# Altium PCB Fri3D_2020_01.PcbDoc (part 1 of 3) (continued)
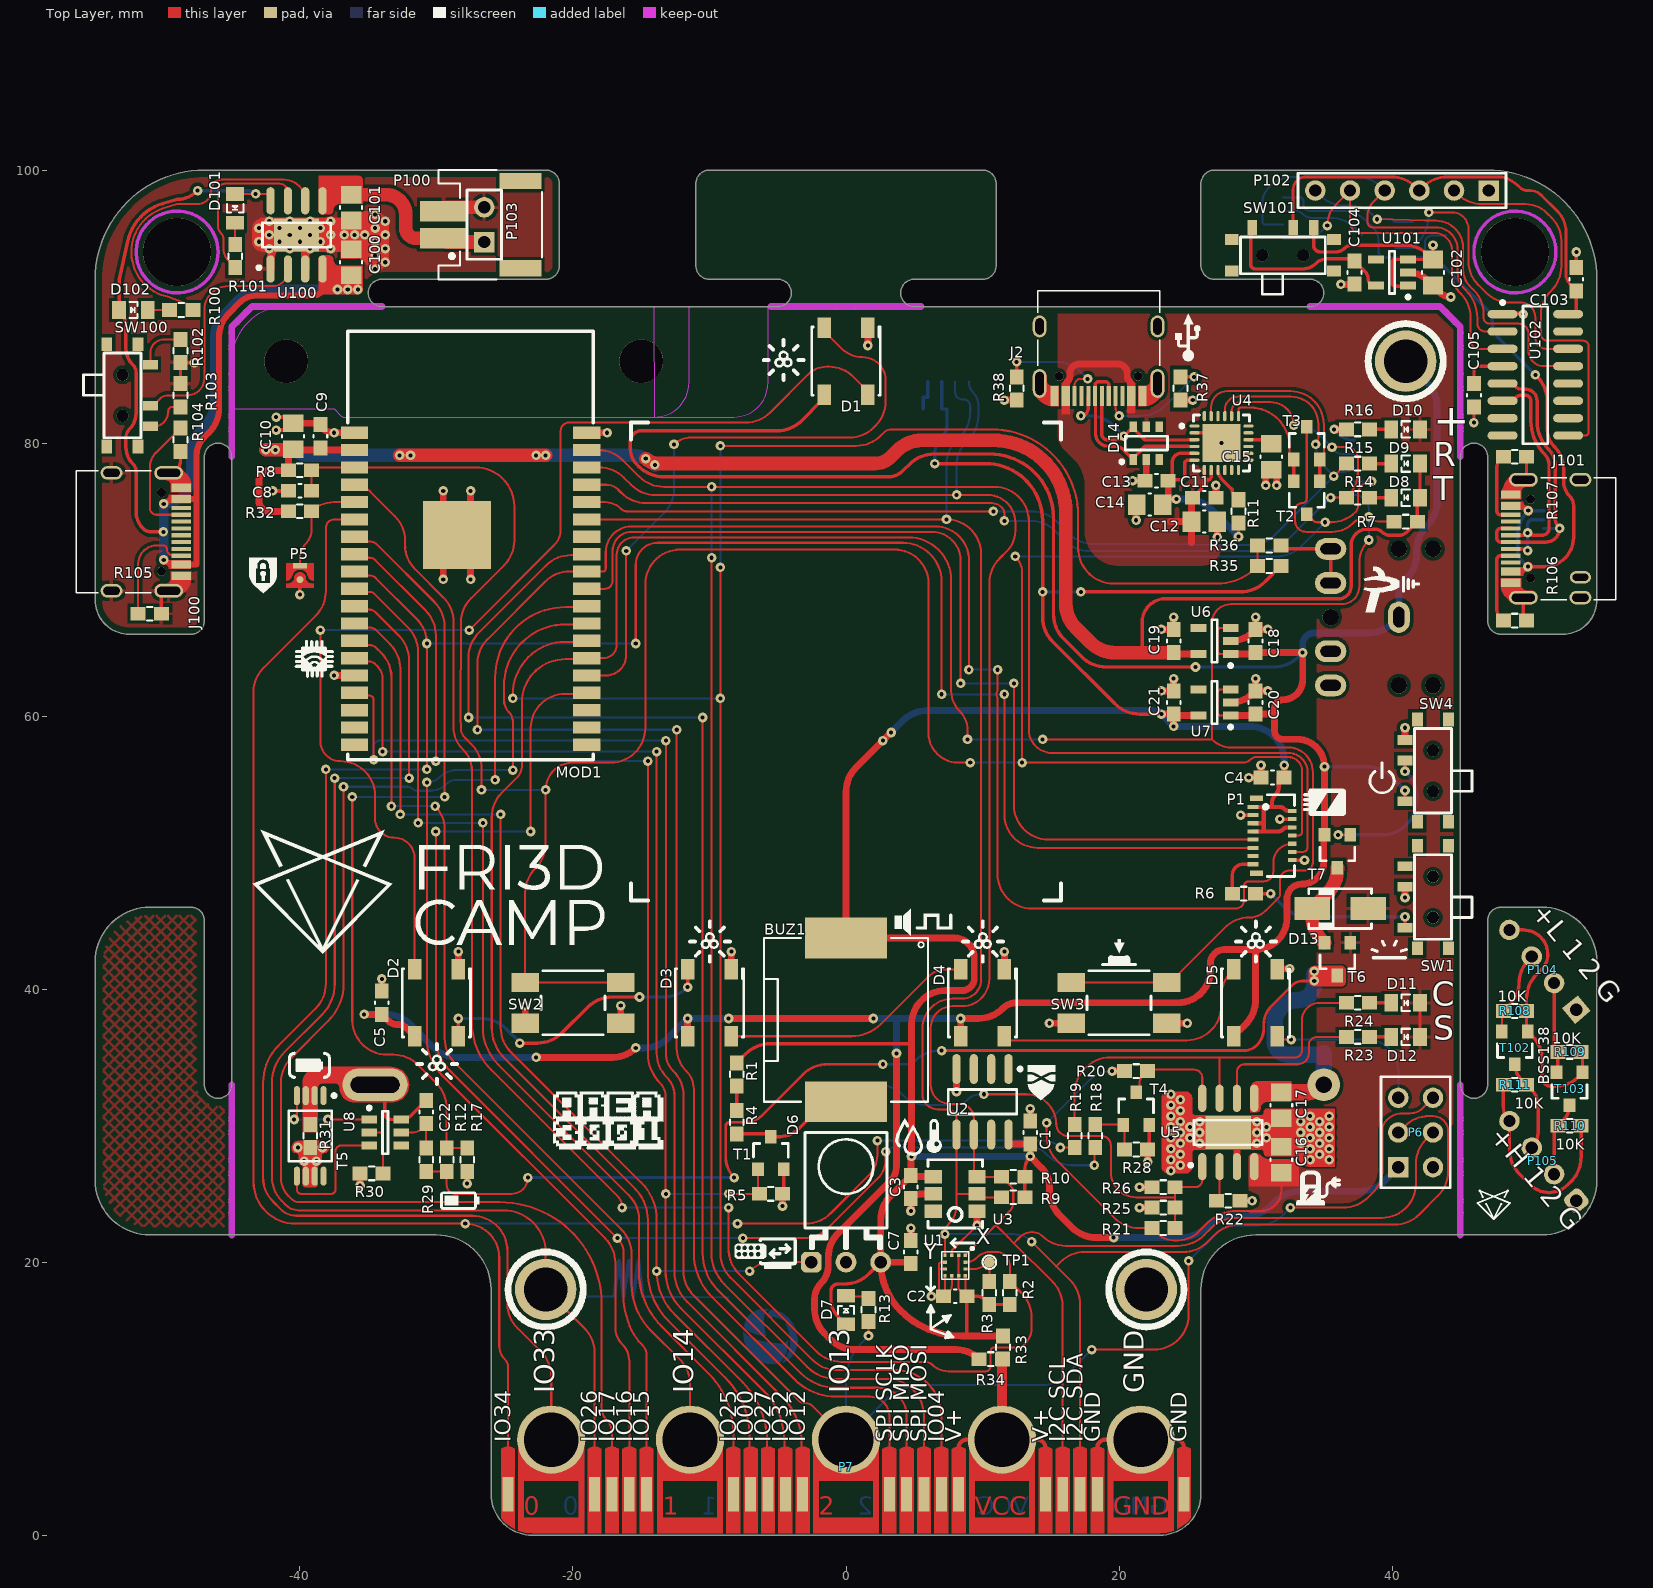
[diagram p0: Top Layer view]
## Footprints (in the part's own frame and the unit in brackets; to place one, negate y for a bottom-side part, rotate by r counter-clockwise, add the part's x,y. Pads: shape width x height; smd on the part's side, far side on the other; paste and mask are expansions set on the pad)
AHT10 [mm] "AHT10"
  rect 1.27x1 smd: 1(-1.6,1.27) 2(-1.6,0) 3(-1.6,-1.27) 4(1.6,-1.27) 5(1.6,0) 6(1.6,1.27)
  silkscreen extent -2,-2.5 2,2.5, body extent -2,-2.5 2,2.5, height 1.6
BAT_18650_SPRING [mm] "Battery holder for a single 18650 cell with spring"
  round 2.4 hole 1.2: 1(35,0)
  oval 4.8x2.4 hole 1.2 slot 3.6 at 0 deg: 2(-34.5,0)
  silkscreen extent -38.85,-10.45 38.85,10.45, body extent -39.01,-10.4 38.64,10.4, height 21.65
C0603_N [mm] "Low density"
  rect 1.1x1 smd: 1(-0.85,0) 2(0.85,0)
  silkscreen extent -0.1,-0.5 0.1,0.5, body extent -0.8,-0.4 0.8,0.4, height 0.3
C0805_N [mm] "Low density"
  rect 1.3x1.5 smd: 1(-0.95,0) 2(0.95,0)
  silkscreen extent -0.1,-0.8 0.1,0.8, body extent -1,-0.62 1,0.63, height 0.78
CUI_CMT-1203-SMT [mm] "12x12x3mm piezo buzzer"
  rect 3x6 smd: 1(-6,0) 2(6,0)
  silkscreen extent -6,-6 6,6, body extent -6,-6 6,6, height 3.05
CUI_SJ1-3525NG [mm] "CUI SJ1-3525NG Audio Jack 3.5mm"
  round 1.2 hole 1.2 unplated: 0(-7.5,-5) 0(-7.5,5) 0(-5,-5) 0(-5,5) 0(0,0)
  oval 1.6x2.3 hole 0.8 slot 1.5 at 90 deg: 1(-5,0)
  oval 2.3x1.6 hole 0.8 slot 1.5 at 0 deg: 2(0,-5) 3(0,5) 4(0,-2.5) 5(0,2.5)
  silkscreen extent -9.5,-6 2.5,6, body extent -11.55,-6 2.5,6, height 5.54
ESP-WROVER-32 [mm] "ESP-WROVER-32 Module"
  rect 2x0.9 smd: 1(-8.5,8.258) 2(-8.5,6.988) 3(-8.5,5.718) 4(-8.5,4.448) 5(-8.5,3.178) 6(-8.5,1.908) 7(-8.5,0.638) 8(-8.5,-0.632) 9(-8.5,-1.902) 10(-8.5,-3.172) 11(-8.5,-4.442) 12(-8.5,-5.712) 13(-8.5,-6.982) 14(-8.5,-8.252) 15(-8.5,-9.522) 16(-8.5,-10.79) 17(-8.5,-12.06) 18(-8.5,-13.33) 19(-8.5,-14.6) 20(8.5,-14.6) 21(8.5,-13.33) 22(8.5,-12.06) 23(8.5,-10.79) 24(8.5,-9.522) 25(8.5,-8.252) 26(8.5,-6.982) 27(8.5,-5.712) 28(8.5,-4.442) 29(8.5,-3.172) 30(8.5,-1.902) 31(8.5,-0.632) 32(8.5,0.638) 33(8.5,1.908) 34(8.5,3.178) 35(8.5,4.448) 36(8.5,5.718) 37(8.5,6.988) 38(8.5,8.258)
  rect 5x5 smd paste-10: 39(-1,0.76)
  Keep-Out Layer region: -9,9.4 9,9.4 9,15.7 -9,15.7
  silkscreen extent -9,-15.7 9,15.7, body extent -9,-15.7 9,15.7, height 3.6
FPC_AFE03-S15FMA-1H [mm]
  rect 0.3x0.8 smd: 1(-2.1,-1.437) 3(-1.5,-1.437) 5(-0.9,-1.437) 7(-0.3,-1.437) 9(0.3,-1.437) 11(0.9,-1.437) 13(1.5,-1.437) 15(2.1,-1.437)
  rect 0.3x0.65 smd: 2(-1.8,1.438) 4(-1.2,1.438) 6(-0.6,1.438) 8(0,1.438) 10(0.6,1.438) 12(1.2,1.438) 14(1.8,1.438)
  rect 0.4x0.95 smd: MH1(-2.75,-1.162) MH2(2.75,-1.162)
  silkscreen extent -3,-0.53 3,1.6, body extent -3,-1.83 3,1.64, height 1.04
HDR1X2 [mm] "Connector; Header; 2 Position"
  rect 1.5x1.5 hole 0.9: 1(0,0)
  round 1.5 hole 0.9: 2(2.54,0)
  silkscreen extent -1.27,-1.27 3.81,1.27, body extent -1.17,-1.25 3.91,1.25, height 8.2
HDR1X4#1 [mm] "Connector; Header; 4 Position"
  rect 1.5x1.5 hole 0.9: 1(0,0)
  round 1.5 hole 0.9: 2(2.54,0) 3(5.08,0) 4(7.62,0)
  body extent -1.27,-1.23 8.89,1.27, height 8.2
HDR1X4#2 [mm] "Connector; Header; 4 Position"
  rrect50% 1.5x1.5 hole 0.9: 1(0,0)
  round 1.5 hole 0.9: 2(2.54,0) 3(5.08,0) 4(7.62,0)
  body extent -1.27,-1.23 8.89,1.27, height 8.2
HDR1X6 [mm] "Connector; Header; 6 Position"
  rect 1.5x1.5 hole 0.9: 1(0,0)
  round 1.5 hole 0.9: 2(2.54,0) 3(5.08,0) 4(7.62,0) 5(10.16,0) 6(12.7,0)
  silkscreen extent -1.27,-1.27 13.97,1.27, body extent -1.27,-1.23 13.97,1.27, height 8.2
HRO_TYPE-C-31-M-12 [mm] "USB C Connector"
  round 0.65 hole 0.65 unplated: 0(-2.89,1.102) 0(2.89,1.102)
  rect 0.3x1.45 smd: A1(-3.375,2.548) A4(-2.55,2.548) A5(-1.25,2.547) A6(-0.25,2.548) A7(0.25,2.548) A8(1.25,2.547) A9(2.55,2.548) A12(3.375,2.548) B1(3.075,2.548) B4(2.25,2.548) B5(1.75,2.548) B6(0.75,2.548) B7(-0.75,2.548) B8(-1.75,2.547) B9(-2.25,2.548) B12(-3.075,2.548)
  oval 1x2.1 hole 0.6 slot 1.7 at 90 deg: MH1(-4.32,1.632) MH4(4.32,1.632)
  oval 1x1.6 hole 0.6 slot 1.2 at 90 deg: MH2(-4.32,-2.548) MH3(4.32,-2.548)
  silkscreen extent -4.47,-5.15 4.47,0.35, body extent -4.5,-5.15 4.44,2.75, height 3.26
LED_0805_GR [mm] "0805 LED GREEN"
  rect 1x1.3 smd: 1(-1.05,0) 2(1.05,0)
  silkscreen extent -0.3,-0.6 0.3,0.6, body extent -1.01,-0.62 1.01,0.63, height 1.1
LED_0805_RD [mm] "0805 LED RED"
  rect 1x1.3 smd: 1(-1.05,0) 2(1.05,0)
  silkscreen extent -0.3,-0.6 0.3,0.6, body extent -1.01,-0.62 1.01,0.63, height 1.1
LED_5050_WS2812B_BLACK [mm] "5050 RGB LED WS2812B BLACK"
  rect 1.5x1 smd: 1(-2.45,1.6) 2(-2.45,-1.6) 3(2.45,-1.6) 4(2.45,1.6)
  silkscreen extent -2.5,-2.5 2.5,2.5, body extent -2.7,-2.5 2.7,2.5, height 1.6
MicroBIT_PCB [mm]
  rect 0.8x2.5 smd paste-10: 1(-24.765,3) 3(-18.415,3) 4(-17.145,3) 5(-15.875,3) 6(-14.605,3) 8(-8.255,3) 9(-6.985,3) 10(-5.715,3) 11(-4.445,3) 12(-3.175,3) 14(3.175,3) 15(4.445,3) 16(5.715,3) 17(6.985,3) 18(8.255,3) 20(14.605,3) 21(15.875,3) 22(17.145,3) 23(18.415,3) 25(24.765,3)
  round 5 hole 4: 2(-21.59,7) 7(-11.43,7) 13(0,7) 19(11.43,7) 24(21.59,7)
  Top Layer region: 25.262,1.267 24.812,0.8 24.268,0.447 24.268,0.447 24.268,6.298 24.258,6.305 24.276,6.321 24.295,6.337 24.295,6.337 24.295,6.337 24.327,6.361 24.36,6.383 24.36,6.383 24.647,6.491 24.952,6.474 25.226,6.336 25.226,6.336 25.244,6.321 25.261,6.305 25.261,6.305 25.262,6.298
  Top Layer region: -25.262,1.267 -24.812,0.8 -24.268,0.447 -24.268,0.447 -24.268,6.298 -24.258,6.305 -24.276,6.321 -24.295,6.337 -24.295,6.337 -24.295,6.337 -24.327,6.361 -24.36,6.383 -24.36,6.383 -24.647,6.491 -24.952,6.474 -25.226,6.336 -25.226,6.336 -25.244,6.321 -25.261,6.305 -25.261,6.305 -25.262,6.298
  Top Layer region: -15.108,0.15 -15.108,6.298 -15.105,6.307 -15.087,6.323 -15.068,6.338 -15.068,6.338 -15.068,6.338 -14.797,6.474 -14.495,6.491 -14.21,6.386 -14.21,6.386 -14.176,6.363 -14.143,6.339 -14.143,6.339 -14.143,6.339 -14.124,6.323 -14.105,6.307 -14.105,6.307 -14.102,6.298 -14.102,0.15
  Top Layer region: -16.378,0.15 -16.378,6.298 -16.375,6.307 -16.357,6.323 -16.338,6.338 -16.338,6.338 -16.338,6.338 -16.067,6.474 -15.765,6.491 -15.48,6.386 -15.48,6.386 -15.446,6.363 -15.413,6.339 -15.413,6.339 -15.413,6.339 -15.394,6.323 -15.375,6.307 -15.375,6.307 -15.372,6.298 -15.372,0.15
  Top Layer region: -18.918,0.15 -18.918,6.298 -18.915,6.307 -18.897,6.323 -18.878,6.338 -18.878,6.338 -18.878,6.338 -18.607,6.474 -18.305,6.491 -18.02,6.386 -18.02,6.386 -17.986,6.363 -17.953,6.339 -17.953,6.339 -17.953,6.339 -17.934,6.323 -17.915,6.307 -17.915,6.307 -17.912,6.298 -17.912,0.15
  Top Layer region: -17.648,0.15 -17.648,6.298 -17.645,6.307 -17.627,6.323 -17.608,6.338 -17.608,6.338 -17.608,6.338 -17.337,6.474 -17.035,6.491 -16.75,6.386 -16.75,6.386 -16.716,6.363 -16.683,6.339 -16.683,6.339 -16.683,6.339 -16.664,6.323 -16.645,6.307 -16.645,6.307 -16.642,6.298 -16.642,0.15
  Top Layer region: -6.218,0.15 -6.218,6.298 -6.215,6.307 -6.197,6.323 -6.178,6.338 -6.178,6.338 -6.178,6.338 -5.907,6.474 -5.605,6.491 -5.32,6.386 -5.32,6.386 -5.286,6.363 -5.253,6.339 -5.253,6.339 -5.253,6.339 -5.234,6.323 -5.215,6.307 -5.215,6.307 -5.212,6.298 -5.212,0.15
  Top Layer region: -7.488,0.15 -7.488,6.298 -7.485,6.307 -7.467,6.323 -7.448,6.338 -7.448,6.338 -7.448,6.338 -7.177,6.474 -6.875,6.491 -6.59,6.386 -6.59,6.386 -6.556,6.363 -6.523,6.339 -6.523,6.339 -6.523,6.339 -6.504,6.323 -6.485,6.307 -6.485,6.307 -6.482,6.298 -6.482,0.15
  Top Layer region: -8.758,0.15 -8.758,6.298 -8.755,6.307 -8.737,6.323 -8.718,6.338 -8.718,6.338 -8.718,6.338 -8.447,6.474 -8.145,6.491 -7.86,6.386 -7.86,6.386 -7.826,6.363 -7.793,6.339 -7.793,6.339 -7.793,6.339 -7.774,6.323 -7.755,6.307 -7.755,6.307 -7.752,6.298 -7.752,0.15
  Top Layer region: -3.678,0.15 -3.678,6.298 -3.675,6.307 -3.657,6.323 -3.638,6.338 -3.638,6.338 -3.638,6.338 -3.367,6.474 -3.065,6.491 -2.78,6.386 -2.78,6.386 -2.746,6.363 -2.713,6.339 -2.713,6.339 -2.713,6.339 -2.694,6.323 -2.675,6.307 -2.675,6.307 -2.672,6.298 -2.672,0.15
  Top Layer region: -4.948,0.15 -4.948,6.298 -4.945,6.307 -4.927,6.323 -4.908,6.338 -4.908,6.338 -4.908,6.338 -4.637,6.474 -4.335,6.491 -4.05,6.386 -4.05,6.386 -4.016,6.363 -3.983,6.339 -3.983,6.339 -3.983,6.339 -3.964,6.323 -3.945,6.307 -3.945,6.307 -3.942,6.298 -3.942,0.15
  Top Layer region: 5.212,0.15 5.212,6.298 5.215,6.307 5.233,6.323 5.252,6.338 5.252,6.338 5.252,6.338 5.523,6.474 5.825,6.491 6.11,6.386 6.11,6.386 6.144,6.363 6.177,6.339 6.177,6.339 6.177,6.339 6.196,6.323 6.215,6.307 6.215,6.307 6.218,6.298 6.218,0.15
  Top Layer region: 3.942,0.15 3.942,6.298 3.945,6.307 3.963,6.323 3.982,6.338 3.982,6.338 3.982,6.338 4.253,6.474 4.555,6.491 4.84,6.386 4.84,6.386 4.874,6.363 4.907,6.339 4.907,6.339 4.907,6.339 4.926,6.323 4.945,6.307 4.945,6.307 4.948,6.298 4.948,0.15
  Top Layer region: 2.672,0.15 2.672,6.298 2.675,6.307 2.693,6.323 2.712,6.338 2.712,6.338 2.712,6.338 2.983,6.474 3.285,6.491 3.57,6.386 3.57,6.386 3.604,6.363 3.637,6.339 3.637,6.339 3.637,6.339 3.656,6.323 3.675,6.307 3.675,6.307 3.678,6.298 3.678,0.15
  Top Layer region: 7.752,0.15 7.752,6.298 7.755,6.307 7.773,6.323 7.792,6.338 7.792,6.338 7.792,6.338 8.063,6.474 8.365,6.491 8.65,6.386 8.65,6.386 8.684,6.363 8.717,6.339 8.717,6.339 8.717,6.339 8.736,6.323 8.755,6.307 8.755,6.307 8.758,6.298 8.758,0.15
  Top Layer region: 6.482,0.15 6.482,6.298 6.485,6.307 6.503,6.323 6.522,6.338 6.522,6.338 6.522,6.338 6.793,6.474 7.095,6.491 7.38,6.386 7.38,6.386 7.414,6.363 7.447,6.339 7.447,6.339 7.447,6.339 7.466,6.323 7.485,6.307 7.485,6.307 7.488,6.298 7.488,0.15
  Top Layer region: 16.642,0.15 16.642,6.298 16.645,6.307 16.663,6.323 16.682,6.338 16.682,6.338 16.682,6.338 16.953,6.474 17.255,6.491 17.54,6.386 17.54,6.386 17.574,6.363 17.607,6.339 17.607,6.339 17.607,6.339 17.626,6.323 17.645,6.307 17.645,6.307 17.648,6.298 17.648,0.15
  Top Layer region: 15.372,0.15 15.372,6.298 15.375,6.307 15.393,6.323 15.412,6.338 15.412,6.338 15.412,6.338 15.683,6.474 15.985,6.491 16.27,6.386 16.27,6.386 16.304,6.363 16.337,6.339 16.337,6.339 16.337,6.339 16.356,6.323 16.375,6.307 16.375,6.307 16.378,6.298 16.378,0.15
  Top Layer region: 14.102,0.15 14.102,6.298 14.105,6.307 14.123,6.323 14.142,6.338 14.142,6.338 14.142,6.338 14.413,6.474 14.715,6.491 15,6.386 15,6.386 15.034,6.363 15.067,6.339 15.067,6.339 15.067,6.339 15.086,6.323 15.105,6.307 15.105,6.307 15.108,6.298 15.108,0.15
  Top Layer region: 17.912,0.15 17.912,6.298 17.915,6.307 17.933,6.323 17.952,6.338 17.952,6.338 17.952,6.338 18.223,6.474 18.525,6.491 18.81,6.386 18.81,6.386 18.844,6.363 18.877,6.339 18.877,6.339 18.877,6.339 18.896,6.323 18.915,6.307 18.915,6.307 18.918,6.298 18.918,0.15
  Top Layer region: -23.992,4 -19.188,4 -19.188,7.001 -19.555,8.144 -20.428,8.967 -21.59,9.266 -22.752,8.967 -23.625,8.144 -23.992,7.001 -23.992,7.001
  Top Layer region: -23.992,0.328 -23.992,4.5 -23.59,4.5 -23.59,1.267 -19.59,1.267 -19.59,4.5 -19.188,4.5 -19.188,0.15 -23,0.15 -23.504,0.195 -23.992,0.328
  Top Layer region: -13.832,4 -9.028,4 -9.028,7.001 -9.395,8.144 -10.268,8.967 -11.43,9.266 -12.592,8.967 -13.465,8.144 -13.832,7.001 -13.832,7.001
  Top Layer region: -2.402,4 2.402,4 2.402,7.001 2.035,8.144 1.162,8.967 0,9.266 -1.162,8.967 -2.035,8.144 -2.402,7.001 -2.402,7.001
  Top Layer region: 23.992,0.328 23.992,4.5 23.59,4.5 23.59,1.267 19.59,1.267 19.59,4.5 19.188,4.5 19.188,0.15 23,0.15 23.504,0.195 23.992,0.328
  Top Layer region: 9.028,4 13.832,4 13.832,7.001 13.465,8.144 12.592,8.967 11.43,9.266 10.268,8.967 9.395,8.144 9.028,7.001 9.028,7.001
  Top Layer region: 19.188,4 23.992,4 23.992,7.001 23.625,8.144 22.752,8.967 21.59,9.266 20.428,8.967 19.555,8.144 19.188,7.001 19.188,7.001
  Top Layer region: -13.832,0.15 -13.832,4 -13.43,4 -13.43,1.267 -9.43,1.267 -9.43,4 -9.028,4 -9.028,0.15
  Top Layer region: -2.402,0.15 -2.402,4 -2,4 -2,1.267 2,1.267 2,4 2.402,4 2.402,0.15
  Top Layer region: 9.028,0.15 9.028,4 9.43,4 9.43,1.267 13.43,1.267 13.43,4 13.832,4 13.832,0.15
NXP_SOT457 [mm] "NXP SOT457 SOT23-6 package"
  rect 0.8x0.55 smd: 1(-1.2,0.95) 2(-1.2,0) 3(-1.2,-0.95) 4(1.2,-0.95) 5(1.2,0) 6(1.2,0.95)
  silkscreen extent -1.5,-1.55 0.5,1.92, body extent -1.18,-1.46 1.2,1.46, height 0.93
QFN_24 [mm] "24 pin QFN 4x4mm body"
  oval 0.75x0.25 smd: 1(-1.975,1.25) 2(-1.975,0.75) 3(-1.975,0.25) 4(-1.975,-0.25) 5(-1.975,-0.75) 6(-1.975,-1.25) 13(1.975,-1.25) 14(1.975,-0.75) 15(1.975,-0.25) 16(1.975,0.25) 17(1.975,0.75) 18(1.975,1.25)
  oval 0.25x0.75 smd: 7(-1.25,-1.975) 8(-0.75,-1.975) 9(-0.25,-1.975) 10(0.25,-1.975) 11(0.75,-1.975) 12(1.25,-1.975) 19(1.25,1.975) 20(0.75,1.975) 21(0.25,1.975) 22(-0.25,1.975) 23(-0.75,1.975) 24(-1.25,1.975)
  rect 2.8x2.8 smd paste-10: 25(0,0)
  silkscreen extent -3.02,-2.05 2.05,2.05, body extent -2,-2 2,2, height 0.95
R0402 [mm]
  rect 0.5x0.6 smd: 1(-0.5,0) 2(0.5,0)
  silkscreen extent -0.1,-0.3 0.1,0.3, body extent -0.5,-0.25 0.5,0.25, height 0.35
R0603_N#1 [mm] "Low density"
  rect 1.1x1 smd: 1(-0.85,0) 2(0.85,0)
  silkscreen extent -0.2,-0.5 0.2,0.5, body extent -0.8,-0.41 0.8,0.41, height 0.45
R0603_N#2 [mm] "Low density"
  rect 1.1x1 smd paste-10: 1(-0.85,0) 2(0.85,0)
  silkscreen extent -0.2,-0.5 0.2,0.5, body extent -0.8,-0.41 0.8,0.41, height 0.45
RCPT2X3 [mm] "Connector; Receptable; 6x2 Position"
  rect 1.5x1.5 hole 0.9: 1(0,2.54)
  round 1.5 hole 0.9: 2(0,0) 3(2.54,2.54) 4(2.54,0) 5(5.08,2.54) 6(5.08,0)
  silkscreen extent -1.5,-1.27 6.63,3.81, body extent -1.52,-1.21 6.6,3.75, height 8.51
SMA_AC [mm] "DO-214AC or SMA footprint with A and C pads"
  rect 2.6x1.7 smd: A(-2.05,0) C(2.05,0)
  silkscreen extent -2.3,-1.45 2.3,1.45, body extent -2.6,-1.3 2.6,1.3, height 2.3
SOIC_N_8 [mm] "150 mil body width"
  oval 2.2x0.6 smd: 1(-2.4,1.905) 2(-2.4,0.635) 3(-2.4,-0.635) 4(-2.4,-1.905) 5(2.4,-1.905) 6(2.4,-0.635) 7(2.4,0.635) 8(2.4,1.905)
  silkscreen extent -2.52,-2.5 0.9,2.88, body extent -3,-2.45 3,2.45, height 1.75
SOIC_N_8_TH [mm] "150 mil body width with Exposed Thermal Pad"
  oval 2x0.6 smd: 1(-2.5,1.905) 2(-2.5,0.635) 3(-2.5,-0.635) 4(-2.5,-1.905) 5(2.5,-1.905) 6(2.5,-0.635) 7(2.5,0.635) 8(2.5,1.905)
  rect 2.41x3.3 smd: 9(0,0)
  silkscreen extent -2.52,-2.5 0.9,2.88, body extent -3,-2.45 3,2.45, height 1.75
SOIC_N_16 [mm] "150 mil body width"
  oval 2.2x0.6 smd: 1(-2.4,4.445) 2(-2.4,3.175) 3(-2.4,1.905) 4(-2.4,0.635) 5(-2.4,-0.635) 6(-2.4,-1.905) 7(-2.4,-3.175) 8(-2.4,-4.445) 9(2.4,-4.445) 10(2.4,-3.175) 11(2.4,-1.905) 12(2.4,-0.635) 13(2.4,0.635) 14(2.4,1.905) 15(2.4,3.175) 16(2.4,4.445)
  silkscreen extent -2.52,-5.04 0.9,5.42, body extent -3,-5 3,5, height 1.75
SOLDER_SW_V_1MM [mm] "1 mm Custom solder switch"
  round 0.5 smd mask+0.05: 1(0,0)
  rect 1x0.4 smd mask+0.05: 2(0,-1)
  Top Layer region: -1,-1.2 -1,-0.7 -1,0.074 -0.831,0.043 -0.69,-0.054 -0.6,-0.2 -0.6,-0.2 -0.497,-0.47 -0.28,-0.661 0,-0.73 0.28,-0.661 0.497,-0.47 0.6,-0.2 0.6,-0.2 0.69,-0.054 0.832,0.043 1,0.074 1,0.074 1,-0.7 1,-1.2
  Top Layer region: -1.01,0.275 -1.01,0.6 1,0.6 1,0.275 0.767,0.269 0.56,0.162 0.42,-0.025 0.42,-0.025 0.408,-0.239 0.294,-0.42 0.107,-0.524 -0.107,-0.524 -0.294,-0.42 -0.408,-0.239 -0.42,-0.025 -0.42,-0.025 -0.563,0.163 -0.773,0.271 -1.01,0.275
SOT23-3 [mm] "SOT-23; 3 Leads; Body 3.1 x 2.5 mm, inc. leads (LxW max)"
  rect 0.85x1 smd: 1(-0.95,-1.2) 2(0.95,-1.2) 3(0,1.2)
  silkscreen extent -1.27,-0.3 1.28,0.7, body extent -1.5,-1.32 1.5,1.32, height 1.08
SOT23-5 [mm] "SOT23, 5-Leads, Body 3,1x3,2mm (max), Pitch 0,95mm, IPC Medium Density"
  rect 1.15x0.6 smd: 1(-1.175,0.95) 2(-1.175,0) 3(-1.175,-0.95) 4(1.175,-0.95) 5(1.175,0.95)
  silkscreen extent -1.3,-1.55 0.2,1.92, body extent -1.4,-1.45 1.4,1.45, height 1.45
SOT23-6 [mm] "SOT23, 6-Leads, Body 3,1x3,2mm (max), Pitch 0,95mm, IPC Medium Density"
  rect 1.15x0.6 smd: 1(-1.175,0.95) 2(-1.175,0) 3(-1.175,-0.95) 4(1.175,-0.95) 5(1.175,0) 6(1.175,0.95)
  silkscreen extent -1.3,-1.55 0.2,1.92, body extent -1.5,-1.55 1.5,1.55, height 1.4
STM_LGA12_2x2 [mm] "STM LGA12 2x2"
  rect 0.275x0.25 smd: 1(-0.75,0.75) 2(-0.75,0.25) 3(-0.75,-0.25) 4(-0.75,-0.75) 7(0.75,-0.75) 8(0.75,-0.25) 9(0.75,0.25) 10(0.75,0.75)
  rect 0.25x0.275 smd: 5(-0.25,-0.75) 6(0.25,-0.75) 11(0.25,0.75) 12(-0.25,0.75)
  silkscreen extent -1.35,-1 1,1.35, body extent -1.07,-1.07 1.08,1.07, height 1
TP_0.8mm [mm] "0.8mm pad"
  round 0.8 smd mask+0.05: 1(0,0)
  silkscreen extent -0.5,-0.5 0.5,0.5
TSSOP_8_65P [mm] "TSOP, 8-Leads, Body 3,00x4,40mm, Pitch 0,65mm,  IPC Medium Density"
  oval 1.4x0.45 smd: 1(-2.95,0.975) 2(-2.95,0.325) 3(-2.95,-0.325) 4(-2.95,-0.975) 5(2.95,-0.975) 6(2.95,-0.325) 7(2.95,0.325) 8(2.95,0.975)
  silkscreen extent -3.07,-1.57 1.85,1.88, body extent -3.2,-1.5 3.2,1.5, height 1.2
VIS_TSOP381x_BENT [mil] "Vischay IR Receiver bent"
  rrect50% 60x60 hole 35.43: 1(-100,0)
  round 60 hole 35.43: 2(0,0) 3(100,0)
  silkscreen extent -118,39 118,374, body extent -122,-51 122,374, height 244
WE_430181038816 [mm] "Miniature SMD TACT SW"
  rect 2x1.4 smd: 1(-3.5,1.5) 1(3.5,1.5) 2(-3.5,-1.5) 2(3.5,-1.5)
  silkscreen extent -2.35,-2.35 2.35,2.35, body extent -3.75,-2.25 3.75,2.25, height 3.8
WE_450404015514 [mm] "=Comment"
  rect 0.7x1.1 smd: 1(2.25,-2.05) 2(-0.75,-2.05) 3(-2.25,-2.05)
  round 0.9 hole 0.9 unplated: M1(-1.5,0) M2(1.5,0)
  rect 1x0.8 smd: M3(-3.75,1.15) M4(3.75,1.15) M5(-3.75,-1.15) M6(3.75,-1.15)
  silkscreen extent -3.1,-1.35 3.1,2.85, body extent -3.85,-2.25 3.85,2.88, height 1.42
WE_620102131822#1 [mm]
  rect 1.5x3.4 smd: 1(0,0) 2(2,0)
  rect 1.4x3.1 smd: M1(-2.3,-5.65) M2(4.3,-5.65)
  silkscreen extent -3,-7.23 5,0.37, body extent -3,-7.23 5,1.37, height 5.65
WE_620102131822#2 [mm]
  rect 1.5x3.4 smd: 1(0,0) 2(2,0)
  rect 1.2x3.1 smd: M1(-2.2,-5.65) M2(4.2,-5.65)
  silkscreen extent -3,-7.23 5,0.37, body extent -3,-7.24 5,1.36, height 5.65
WE_665104131822 [mm]
  rect 0.6x1.55 smd: 1(0,0) 2(1,0) 3(2,0) 4(3,0)
  rect 1.2x2 smd: Z1(-1.3,-3.775) Z2(4.3,-3.775)
  silkscreen extent -1.5,-4.4 4.5,-0.15, body extent -1.5,-4.4 4.5,0.55, height 2.95
WE_665105131822#1 [mm]
  rect 0.6x1.55 smd: 1(0,0) 2(1,0) 3(2,0) 4(3,0) 5(4,0)
  rect 1.2x2 smd: Z1(-1.3,-3.775) Z2(5.3,-3.775)
  silkscreen extent -1.5,-4.4 5.5,-0.15, body extent -1.5,-4.4 5.5,0.55, height 2.95
WE_665105131822#2 [mm]
  rect 0.6x1.55 smd: 1(0,0) 2(1,0) 3(2,0) 4(3,0) 5(4,0)
  rect 1x2 smd: Z1(-1.2,-3.775) Z2(5.2,-3.775)
  silkscreen extent -1.5,-4.4 5.5,-0.15, body extent -1.5,-4.4 5.5,0.55, height 2.95
XKB_U254-051T-4BH81-S2S [mm]
  rect 0.4x1.35 smd: 1(-1.3,0) 2(-0.65,0) 3(0,0) 4(0.65,0) 5(1.3,0)
  oval 0.9x1.55 hole 0.5 slot 1.15 at 90 deg: MH1(-3.575,-2.675) MH2(3.575,-2.675)
  rect 2.1x1.6 smd: MH3(-3.1,-0.125) MH4(3.1,-0.125)
  rect 1.9x1.9 smd: MH3(-1.2,-2.675) MH4(1.2,-2.675)
  silkscreen extent -3.75,-4.15 3.75,-1.15, body extent -4.03,-5.4 4.02,0.18, height 2.77

## Part data
BAT1: library part "18650 Battery holder spring CN", "=Description", Supplier Part Number 1=39761834568, Supplier 1=TaoBao
BUZ1: library part "BUZ # CUI CMT-1203-SMT", "Crystal Oscillator", Supplier Part Number 1=102-2197-1-ND, Supplier 1=Digikey, Supplier 2=Aliexpress, Supplier Part Number 2=KLJ-1230
C1 C2 C3 C4 C6 C7 C8 C9 C11 C13 C22 C103 C105: library part "CAP # 100nF 16V 0603", "Capacitor Ceramic"
C5 C18 C19 C20 C21 C104: library part "CAP # 1uF 16V 0603", "Capacitor Ceramic", Supplier Part Number 1=2320814, Supplier 1=Farnell
C10 C12 C14 C15 C16 C17 C100 C101 C102: library part "CAP # 10uF 10V 0805", "Capacitor Ceramic", Supplier Part Number 1=2320859, Supplier 1=Farnell
D1 D2 D3 D4 D5: library part "LED # RGB WS2812B-5050 BL", "=Description", Supplier Part Number 1="WS2812B Black 5050", Supplier 1=Aliexpress
D6: library part "PHO IR Rx RA", "=Description", Supplier Part Number 1=C264262, Supplier 1=LCSC
D7 D8 D11 D101: library part "LED # Red 0805", "=Description", Supplier Part Number 1=2099236, Supplier 1=Farnell
D9 D10 D12 D102: library part "LED # Green 0805", "=Description", Supplier Part Number 1=2099239, Supplier 1=Farnell
D13: library part "Schottky # MBRA210LT3G", "=Description"
D14: library part "TVS # IP4220CZ6 Dual USB", "=Description", Supplier Part Number 1=2143248, Supplier 1=Farnell
J1: library part "AUDIO JACK 3.5 3c SJ1-3525NG", "=Description", Supplier Part Number 1=CP1-3525NG-ND, Supplier 1=Digi-key
J2 J100 J101: library part "USB # C 2.0 RCPT TYPE-C-31-M-12", Supplier Part Number 1="HRO TYPE-C-31-M-12", Supplier 1=China, Supplier 2=LCSC, Supplier 3="LCSC ALT", Supplier Part Number 2=C165948, Supplier Part Number 3="C167321 / C319148"
J102: library part "USB # Micro B TH XKB U254-051T-4BH81-S2S", Supplier Part Number 1=C381144, Supplier 1=LCSC
MOD1: library part "WiFi # MOD ESP-WROVER-32", "WiFi # MOD ESP-WROVER-32", Supplier Part Number 1=ESP-WROVER-32, Supplier 1=Espressif
P1: library part "FPC # 15 Bottom 0.3mm AFE03-S15FMA-1H", Supplier Part Number 1=C262541, Supplier 1=LCSC
P2: library part "HDR # RA SHR 1.0mm 4way - 665104131822", Supplier Part Number 1=665104131822, Supplier 1=Wurth, Supplier 2=Mouser, Supplier Part Number 2=710-665104131822
P3 P101: library part "HDR # RA SHR 1.0mm 5way - 665105131822", Supplier Part Number 1=665105131822, Supplier 1=Wurth, Supplier 2=Mouser, Supplier Part Number 2=710-665105131822
P4 P100: library part "HDR # SHR 2.0mm 2way - 620102131822", Supplier 1=Wurth
P5: library part "SOLDER SW V 1MM"
P6: library part "Receptacle 2.54mm dual row 6way"
P7: library part "MicroBit # PCB part", Supplier 1="NO PART"
P102: library part "Pin Header 2.54mm 6way"
P103: library part "Pin Header 2.54mm 2way"
P104 P105: library part "Pin Header 2.54mm 4way"
R1 R4 R6 R18 R19 R29: library part "RES # 100R 0603"
R2 R3 R5 R7 R8 R9 R10 R20 R21 R28 R32 R34 R35 R37 R38 R103 R104 R105 R106 R107 R108 R109 R110 R111: library part "RES # 5K1 0603", Supplier Part Number 1=2845922, Supplier 1=Farnell
R11 R13 R14 R15 R16 R22 R23 R24 R30 R36 R100 R101 R102: library part "RES # 1K2 0603"
R12 R17 R25 R26: library part "RES # 100K 0603"
R27: library part "NTC # 10K 0402", Supplier Part Number 1=C209959, Supplier 1=LCSC, Supplier 2=LCSC, Supplier Part Number 2=C98099
R31 R33: library part "RES # 0R 0603", Supplier Part Number 1=2447743, Supplier 1=Farnell
  R33: Supplier 3=Generic, Supplier Part Number 3="0R 1% 0603"
SW1 SW4 SW100 SW101: library part "SW # 1P2T WS-SLSU mini slide 6,7 x 2,7 mm"
SW2 SW3: library part "SW # TACT small 4.5x4.5mm SMD WS-TASV"
T1 T2 T3 T4 T100 T101 T102 T103: library part "BSS138 N-Ch MOSFET 0.2A 3.2Vgs 60Vds", Supplier Part Number 1=2432717, Supplier 1=Farnell
T5: library part "FS8205A Dual N-Ch common Drain for DW01-P", "=Description", Supplier Part Number 1=FS8205A, Supplier 1=AliExpress
T6 T7: library part "SL2301 P-Ch MOSFET -2.3A -20Vds", "=Description", Supplier Part Number 1=C181086, Supplier 1=LCSC
TP1: library part "TP # 0.8mm"
U1: library part "ACCELERO # LIS2DH12", "=Description"
U2: library part "CRYPTO # ATECC608A I2C SOIC-8", "=Description", Supplier Part Number 1=2920872, Supplier 1=Farnell, Supplier 2=Digi-key, Supplier 3=Mouser, Supplier Part Number 2=ATECC608A-SSHDA-TCT-ND, Supplier Part Number 3=556-ATECC608ASSHDAT
U3: library part "TMP HUM # AHT10", "=Description"
U4: library part "CP2102N # QFN24 USB UART", "=Description", Supplier Part Number 1=2577278, Supplier 1=Farnell, Supplier 2=Digikey, Supplier Part Number 2=336-3693-ND
U5 U100: library part "CHG # TP4056 LiIon 1A", "=Description", Supplier Part Number 1=TP4056, Supplier 1=Aliexpress
U6 U7 U101: library part "LDO # 3V3 XC6210B33", "=Designator", Supplier Part Number 1=1057803, Supplier 1=Farnell
U8: library part "PWR # DW01-P Lithium protection", "=Description", Supplier Part Number 1=DW01-P, Supplier 1=Aliexpress
U102: library part "CH340C # UCB UART", "=Description", Supplier Part Number 1=C84681, Supplier 1=LCSC

## Free pads (board coordinates)
  round 5 hole 5 unplated mask+0.65: 0(-49,94) 0(49,94)
  round 3.2 hole 3.2 unplated mask+0.65: 0(-41,86) 0(-15,86)
  round 0 hole 3 unplated mask+0.2: 0(-32,107) 0(32,107)
  round 4.5 hole 3.2: 0(-22,18) 0(22,18) 0(41,86)
  round 0.5 hole 0.5: 1(-45,23.5) 1(-45,24.5) 1(-45,26.5) 1(-45,27.5) 1(-45,29.5) 1(-45,30.5) 1(-45,81) 1(-45,82) 1(-45,84) 1(-45,85) 1(-45,87) 1(-45,88) 1(-44.6,88.9) 1(-43.9,89.6) 1(-43,90) 1(-42,90) 1(-40,90) 1(-39,90) 1(-37,90) 1(-36,90) 1(-2.5,90) 1(-0.5,90) 1(0.5,90) 1(2.5,90) 1(36,90) 1(37,90) 1(39,90) 1(40,90) 1(42,90) 1(43,90) 1(43.9,89.6) 1(44.6,88.9) 1(45,23.5) 1(45,24.5) 1(45,26.5) 1(45,27.5) 1(45,29.5) 1(45,30.5) 1(45,81) 1(45,82) 1(45,84) 1(45,85) 1(45,87) 1(45,88)

## Via types
v1: diameter 0.7, hole 0.3, Top Layer to Bottom Layer, tented top, 306 vias

## Nets (pads, with @x,y where several pads share a name; then routed paths per layer and width w, separated by ;. In a path a pad name is that pad's centre, name@x,y a point inside that pad or via, vN(x,y) a via of type N, cw(c..) or ccw(c..) an arc to the next point about the centre after c; other vN are vias at no path point)
3V3_AUX: BUZ1.1 C1.1 C2.1 C3.1 C4.1 C6.1 C7.1 C21.1 D6.3 D7.1 P1.1 P1.2 P1.5 P1.6 P1.7 P2.2 P6.1 R1.1 R2.1 R3.1 R9.1 R10.1 R33.1 R35.1 U1.2 U1.9 U1.10 U2.8 U3.4 U7.5 | length 249.7
  Top Layer w0.15: U1.2@8.25,20.5 U1.9@8.25,19 8.25,18.185 ccw(c8.66,18.185) 8.37,17.896 8.706,17.56 ccw(c8.85,17.704) C2.1@8.85,17.5 cw(c9.092,17.742) 8.75,17.742 U1.10@8.75,19
  Top Layer w0.25: R1.1@-8,34.6 -7.344,35.256 cw(c-5.548,33.46) -5.548,36 4.795,36 4.8,36.005 ; D7.1@0,15.45 -0.64,16.09 cw(c0.469,17.2) -1.1,17.2 -1.1,17.9 cw(c-0.6,17.9) -0.6,18.4 -0.112,18.4 ccw(c-0.112,20.94) 1.684,19.144 D6.3@2.54,20 ; v1(6.5,78.5) 10.224,78.5 cw(c10.224,74.324) 14.4,74.324 v1(14.4,69.095) 14.4,67.252 ccw(c16.94,67.252) 15.144,65.456 19.706,60.894 ccw(c21.502,62.69) 21.502,60.15 v1(23.1,60.15) ; 8.85,14.6 C2.1@8.85,17.5 9.498,17.5 9.5,17.5 cw(c9.5,16.217) R3.1@10.407,17.125 ; R3.1@10.427,17.077 10.427,16.973 R3.1@10.5,16.9 R2.1@12,16.9 ; R9.1@13.1,24.75 R10.1@13.1,26.25 13.1,26.784 cw(c14.466,26.784) v1(13.5,27.75) ; v1(17.2,69.095) 17.205,69.1 28.898,69.1 ccw(c28.898,71.64) 30.694,69.844 R35.1@31.85,71
  Top Layer w0.3: P1.7@29.813,51.55 30.6,51.55 ; P1.5@29.813,52.15 30.6,52.15 ; P1.1@29.813,53.35 30.6,53.35 ; C4.1@32.1,55.5 31.7,55.5 31.7,54.783 cw(c31.017,54.783) 31.5,54.3 ccw(c32.224,53.576) 31.2,53.576 31.2,53.35 ; P1.6@32.688,51.85 32.362,51.85 ccw(c32.362,51.338) 32,51.7 cw(c31.638,52.062) 31.638,51.55 30.6,51.55 ; P1.2@32.688,53.05 32.462,53.05 cw(c32.462,53.562) 32.1,53.2 ccw(c31.738,52.838) 31.738,53.35 31.2,53.35 ; 30.6,51.55 30.6,52.15 ; 30.6,52.15 30.6,53.35 ; 30.6,53.35 31.2,53.35
  Top Layer w0.5: v1(3.3,58.8) v1(2.7,58.2) 0.744,56.244 ccw(c2.54,54.448) 0,54.448 BUZ1.1@0,43.75 7.95,43.75 cw(c7.95,42.3) 9.4,42.3 9.4,40.8 cw(c8.5,40.8) 8.5,39.9 7.29,39.9 ccw(c7.29,37.41) 4.8,37.41 4.8,36.005 v1(4.8,27.75) 4.75,27.75 C3.1@4.75,26.35 ; C7.1@4.75,19.9 ccw(c4.508,19.658) 4.508,20 D6.3@2.54,20 ; C3.1@4.8,26.4 C3.1@4.75,26.35 ; U3.4@6.4,26.27 4.75,26.27 C3.1@4.75,26.35 ; R33.1@11.5,14.6 8.85,14.6 8.458,14.6 8.456,14.6 cw(c8.456,20.88) 4.014,16.441 cw(c7.575,20) D6.3@2.54,20 ; U2.8@11.905,29.35 11.905,28.65 C1.1@13.5,28.65 v1(13.5,27.75) 14.299,26.951 cw(c12.848,25.5) 14.9,25.5 14.9,25.252 ccw(c17.44,25.252) 15.644,23.456 16.556,22.544 ccw(c18.352,24.34) 18.352,21.8 v1(19.6,21.8) ; v1(23.1,60.15) C21.1@24,60.15 ; v1(24,59.25) C21.1@24,60.15 ; U7.5@25.825,60.05 24.241,60.05 cw(c24.241,60.391) C21.1@24,60.15 ; C4.1@32.1,55.5 v1(32.1,56.4) ; D6.3@2.54,20 2.54,23.088 cw(c5.08,23.088) 3.284,24.884 C3.1@4.75,26.35
  Bottom Layer w0.25: v1(6.5,78.5) 6.5,79.193 cw(c8.207,79.193) 7,80.4 ccw(c6.034,81.366) 7.4,81.366 7.4,82.45 C6.1@7.35,82.5 7,82.5 P2.2@7,84.5 ; v1(14.4,69.095) v1(17.2,69.095)
  Bottom Layer w0.5: v1(2.7,58.2) v1(3.3,58.8) 4.156,59.656 cw(c5.952,57.86) 5.952,60.4 22.496,60.4 cw(c22.496,59.546) v1(23.1,60.15) v1(24,59.25) 29.56,59.25 cw(c29.56,56.71) 32.1,56.71 v1(32.1,56.4) ; v1(4.8,27.75) v1(13.5,27.75) ; v1(19.6,21.8) 24.548,21.8 ccw(c24.548,24.34) 26.344,22.544 26.456,22.656 cw(c28.252,20.86) 28.252,23.4 29.348,23.4 ccw(c29.348,25.94) 31.144,24.144 31.456,24.456 cw(c33.252,22.66) 33.252,25.2 37.648,25.2 ccw(c37.648,27.74) 39.444,25.944 P6.1@40.46,26.96
3V3_ESP: C9.1 C10.1 C19.1 D8.1 D9.1 MOD1.2 R7.1 R8.1 R32.1 U6.5 | length 129.4
  Top Layer w0.25: 21.7,64.7 21.7,66.9 cw(c23.4,66.9) 23.4,68.6 36.1,68.6 ccw(c36.1,69.5) 37,69.5 37,72.5 cw(c38.2,72.5) 38.2,73.7 38.767,73.7 cw(c38.767,73.017) 39.25,73.5 ccw(c39.854,74.104) 39.854,73.25 40.5,73.25 ccw(c40.5,74.095) 41.097,73.497 R7.1@41.85,74.25 41.85,75.8 D8.1@42.05,76 D9.1@42.05,78.5
  Top Layer w0.5: R32.1@-40.85,75 -42.25,75 cw(c-42.25,75.75) -43,75.75 -43,77.25 cw(c-42.25,77.25) -42.25,78 R8.1@-40.85,78 C10.1@-40.85,79.05 ; C10.1@-40.438,79.488 MOD1.2@-36,79.488 ; C19.1@24,64.65 ccw(c24.241,64.891) 24.241,64.55 U6.5@25.825,64.55
  Top Layer w1: v1(-42.5,79.5) v1(-41.8,79.5) -40.621,79.5 ccw(c-40.621,79.671) C10.1@-40.5,79.55 ; v1(-32.7,79.1) v1(-31.9,79.1) v1(-22.7,79.1) v1(-22,79.1) ; v1(-14.666,78.866) ccw(c-13.783,79.749) -13.783,78.5 2.093,78.5 ccw(c2.093,80.207) 3.3,79 3.756,79.456 cw(c5.552,77.66) 5.552,80.2 10.8,80.2 cw(c10.8,74.9) 16.1,74.9 16.1,68.252 ccw(c18.64,68.252) 16.844,66.456 17.906,65.394 ccw(c19.702,67.19) 19.702,64.65 21.7,64.65 C19.1@24,64.65
  Bottom Layer w1: v1@-42.4,79.5 v1(-41.8,79.5) -40.441,79.5 cw(c-40.441,79.159) -40.2,79.4 ccw(c-39.476,80.124) -39.476,79.1 v1(-32.7,79.1) v1(-31.9,79.1) ; v1(-22.7,79.1) v1(-22,79.1) -15.69,79.1 cw(c-15.69,76.71) v1(-14,78.4)